# KiCad board LittleSixteen.kicad_pcb (continued)
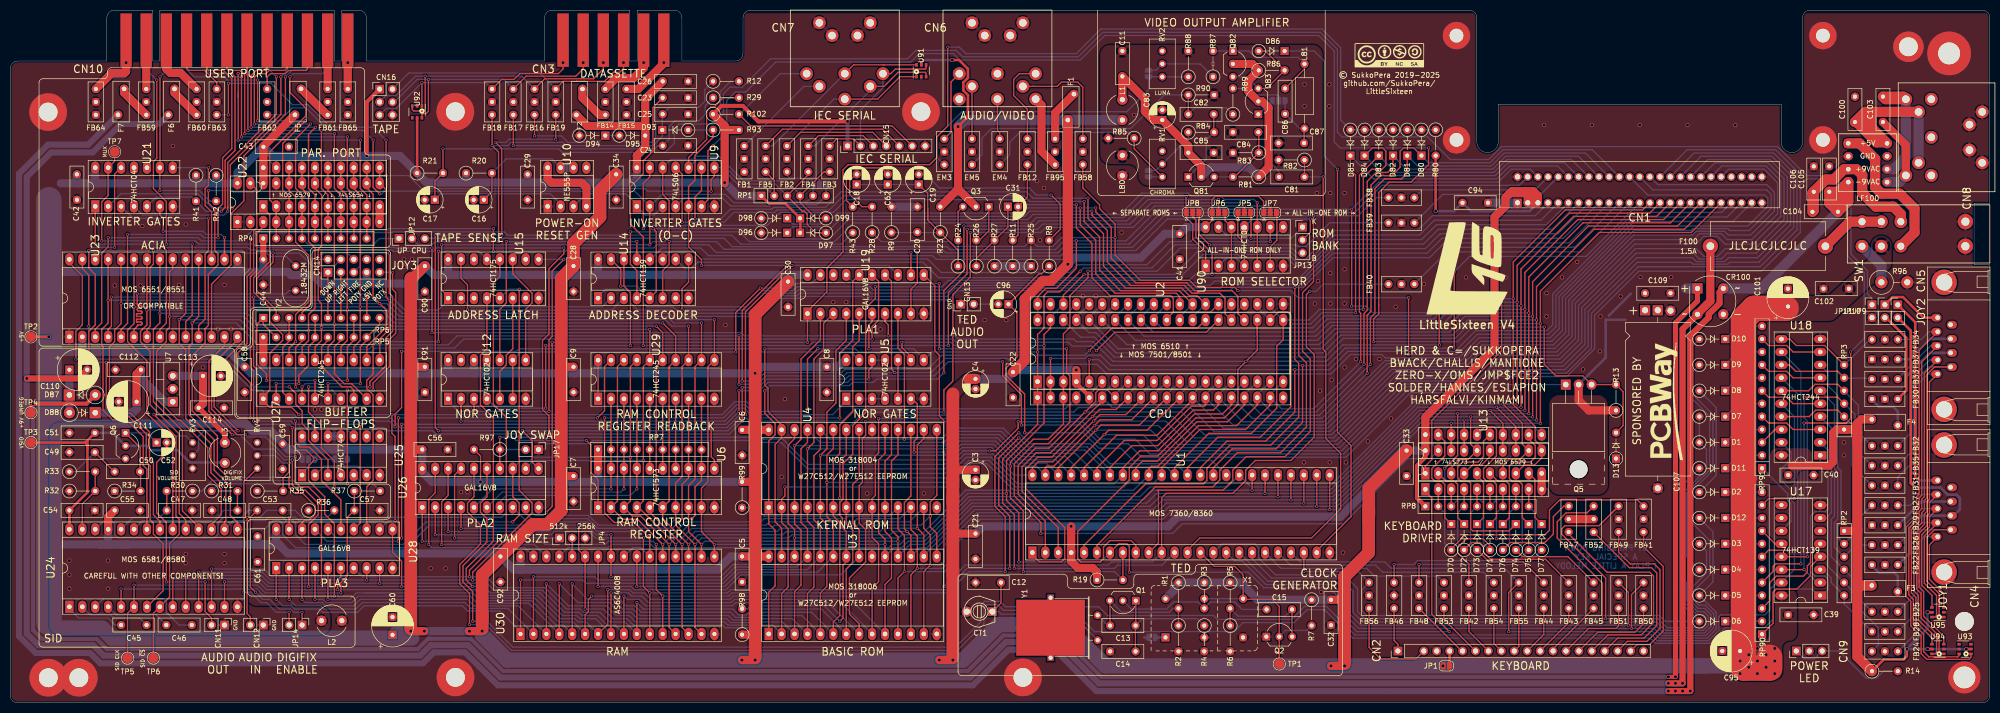
[diagram p0: board, top side]
## Routing (per net, layer and track width the routed paths; a pad name or vN(x,y) marks a point on that pad's centre or on a via; arc(x,y) is an arc through that point) (continued)
Net-(CN10-Pad10): length 13.2
  Top w1.6: CN10.10 30.7,124.63 31.48,123.85 33.48,123.85 FB60.1
Net-(CN10-Pad11): length 9.6
  Top w1.6: CN10.11 FB59.1
Net-(CN10-Pad12): length 27
  Top w1.6: FB64.1 19.97,123.84 22.44,123.84 22.78,124.17 CN10.12
  Bottom w1.6: FB64.1 19.73,123.6 22.2,123.6 22.78,124.17 CN10.12
  vias: v2(22.78,125.88)
Net-(D1-Pad1): length 8.3
  Bottom w0.25: RP91.4 339.55,53.75 D1.1
Net-(D2-Pad1): length 7.2
  Bottom w0.25: D2.1 RP90.12
Net-(D3-Pad1): length 7.2
  Bottom w0.25: D3.1 RP90.8
Net-(D4-Pad1): length 7.2
  Bottom w0.25: D4.1 RP90.6
Net-(D5-Pad1): length 7.2
  Bottom w0.25: D5.1 RP90.4
Net-(D6-Pad1): length 7.2
  Bottom w0.25: D6.1 RP90.2
Net-(D7-Pad1): length 8.3
  Bottom w0.25: RP91.6 339.55,58.83 D7.1
Net-(D8-Pad1): length 8.4
  Bottom w0.25: D8.1 339.55,63.91 RP91.8 ; 336.94,61.32 336.94,61.19
Net-(D9-Pad1): length 8.3
  Bottom w0.25: RP91.10 339.55,68.99 D9.1 ; 336.94,66.39 336.95,66.39
Net-(D10-Pad1): length 8.3
  Bottom w0.25: RP91.12 339.55,74.07 D10.1
Net-(D11-Pad1): length 8.3
  Bottom w0.25: D11.1 339.55,48.67 RP91.2
Net-(D12-Pad1): length 7.2
  Bottom w0.25: D12.1 RP90.10
Net-(D70-Pad1): length 21.5
  Top w0.25: D70.1 281.89,36.42 281.89,42.95 281.28,43.56 279.99,43.56 279.35,44.2 279.35,46.01 281.89,48.55 281.89,51.47 U20.19
Net-(D70-Pad2): length 57.8
  Top w0.25: FB41.1 319.71,39.91 304.49,39.91 302.46,37.88 302.46,33.94 301.57,33.05 285.95,33.05 283.16,30.26 D70.2 ; U13.2 RP8.2
  Bottom w0.25: RP8.2 281.89,37.37 281.89,31.34 D70.2
Net-(D71-Pad1): length 26.7
  Top w0.25: U20.16 289.83,54.32 291.48,54.32 292.05,53.75 292.05,48.54 289.51,46 289.51,44.22 290.17,43.56 291.44,43.56 292.05,42.95 292.05,36.42 D71.1
Net-(D71-Pad2): length 36.2
  Top w0.25: 290.78,30.52 290.78,30.89 289.38,32.29 286.17,32.29 284.43,30.55 284.43,29.49 286.64,27.28 FB42.1 ; U13.3 RP8.3
  Bottom w0.25: RP8.3 284.56,40.03 288.75,40.03 289.51,39.27 289.51,31.34 D71.2
Net-(D72-Pad1): length 13
  Top w0.25: U20.2 282.17,43.56 283.82,43.56 284.43,42.95 284.43,36.42 D72.1
Net-(D72-Pad2): length 38.1
  Top w0.25: U13.4 RP8.4 ; D72.2 287.16,31.52 288.75,31.52 289.51,30.76 289.51,29.62 290.91,28.22 301.68,28.22 FB43.1
  Bottom w0.25: D72.2 284.43,31.34 284.43,37.37 RP8.4
Net-(D73-Pad1): length 11
  Top w0.25: D73.1 289.51,36.42 289.51,43.33 288.24,44.6 U20.5
Net-(D73-Pad2): length 29.6
  Top w0.25: FB44.1 297.28,27.72 290.59,27.72 D73.2 ; U13.5 RP8.5
  Bottom w0.25: 288.24,41.14 U13.5 ; D73.2 286.97,31.34 286.97,37.37 RP8.5
Net-(D74-Pad1): length 34.5
  Top w0.25: U20.15 289.51,51.47 289.51,48.42 288.43,47.34 285.38,47.34 284.43,46.39 284.43,44.22 285.09,43.56 286.61,43.56 286.97,43.21 286.97,34.23 287.39,33.81 294.53,33.81 D74.1
Net-(D74-Pad2): length 40
  Top w0.25: U13.6 RP8.6 ; D74.2 297.19,28.73 306.1,28.73 311.15,23.68
  Bottom w0.25: 297.13,37.37 297.13,31.34 D74.2 ; 297.13,37.37 297.13,39.27 296.37,40.03 292.18,40.03 RP8.6 ; 297.13,37.37 297.13,39.15
Net-(D75-Pad1): length 24.6
  Top w0.25: U20.12 298.4,51.85 299.67,50.58 299.67,48.29 298.72,47.34 295.35,47.34 294.59,46.58 294.59,44.1 295.15,43.54 296.55,43.54 297.13,42.96 297.13,36.42 D75.1
Net-(D75-Pad2): length 50.4
  Top w0.25: 298.4,32.29 298.39,32.29 293.07,32.29 293.07,32.29 ; v1(292.05,32.29) 293.07,32.29 ; FB46.1 271.93,27.13 ; U13.7 RP8.7
  Bottom w0.25: v1(292.05,32.29) 292.05,37.37 RP8.7 ; 295.42,27.97 295.22,27.97 ; 295.22,27.97 276.56,27.97 275.79,27.21 v1(271.93,27.21) ; 295.22,27.97 296.3,27.97 D75.2 ; D75.2 298.4,29.75 ; D75.2 298.4,32.29
  vias: v1(298.4,32.29)
Net-(D76-Pad1): length 13
  Top w0.25: D76.1 294.59,36.42 294.59,42.95 293.98,43.56 292.33,43.56 U20.6
Net-(D76-Pad2): length 31.5
  Top w0.25: FB47.1 305.28,38.66 303.23,36.61 303.23,33.18 301.57,31.52 294.78,31.52 D76.2 ; U13.8 RP8.8
  Bottom w0.25: D76.2 294.59,31.34 294.59,37.37 RP8.8
Net-(D77-Pad1): length 11
  Top w0.25: D77.1 299.61,36.48 299.61,43.91 U20.9
Net-(D77-Pad2): length 41.8
  Top w0.25: U13.9 RP8.9 ; v1(276.84,27.21) FB48.1
  Bottom w0.25: v1(276.84,27.21) 298.08,27.21 D77.2 300.94,30.13 299.67,31.4 299.67,37.37 RP8.9
Net-(D86-Pad2): length 19.2
  Top w0.25: D86.2 246.61,128.18 R86.2 246.87,120.81 Q83.3
  Bottom w0.25: Q83.3 242.98,123.1 Q82.3
Net-(F1-Pad2): length 10.6
  Top w0.5: 208.1,119.41 208.1,119.68
  Top w1.6: F1.2 205.33,116 FB95.1
Net-(F2-Pad2): length 7.6
  Top w1.6: FB14.2 115.81,115.62 112.46,118.97 F2.2
Net-(F3-Pad2): length 9.1
  Bottom w0.5: FB22.1 365.84,26.95 367.23,25.55 370.29,25.55 370.91,24.93 370.91,21.87
Net-(F4-Pad2): length 8.9
  Bottom w0.5: 370.91,54.55 370.91,57.31 370.03,58.19 367.23,58.19 365.84,59.59 FB30.1
Net-(F5-Pad2): length 7.4
  Top w1.6: F5.2 62.26,115.62 FB61.2 62.35,115.62
Net-(F6-Pad2): length 6.9
  Top w1.6: FB60.2 36.63,115.62 32.29,119.96 F6.2
Net-(F7-Pad2): length 6.9
  Top w1.6: FB59.2 26.72,115.62 22.39,119.96 F7.2
Net-(F100-Pad2): length 13
  Top w2: F100.2 361.52,94.62 SW1.6 SW1.5
Net-(FB2-Pad2): length 8.4
  Bottom w0.25: JP3.2 159.03,102.79 158.66,103.15 153.24,103.15 152.63,103.76 FB2.2
Net-(JP2-Pad2): length 2
  Bottom w0.5: JP2.2 X1.1
Net-(JP3-Pad3): length 34
  Bottom w0.25: JP3.3 160.3,101.85 RP1.6 158.54,97.94 149.42,97.94 149.18,97.7 141.55,97.7 139.9,99.34 132.49,99.34 130.76,97.62
Net-(JP14-Pad2): length 38.5
  Top w0.25: v1(54.81,17.81) JP14.2 ; RV4.1 45.92,43.48 v1(45.92,21.74)
  Bottom w0.25: v1(54.81,17.81) 52.27,17.81 50.37,19.71 49.29,19.71 47.26,21.74 v1(45.92,21.74)
Net-(JP15-Pad2): length 3.1
  Top w0.25: v1(65,47.91) 65,44.78
Net-(JP16-Pad2): length 3.7
  Bottom w0.25: U25.1 57.35,45.11 58.63,46.39 JP16.2
Net-(JP18-Pad3): length 3.8
  Bottom w0.25: JP18.3 247.95,118.36 245.32,115.73 Q83.1
Net-(JP81-Pad1): length 11.6
  Bottom w0.25: JP81.1 225.15,104.71 RV1.2 231.5,111.06 R84.1
Net-(JP82-Pad1): length 14.2
  Bottom w0.25: R87.1 233.81,125.64 226.39,125.64 225.15,124.4 JP82.1
Net-(LF100-Pad1): length 30.1
  Top w2: LF100.1 363.4,110.01 366.47,106.94 366.47,101.38 367.74,100.11 371.3,100.11 374.22,97.19 374.22,92.5 SW1.1
Net-(M1-Pad2): length 7.4
  Top w0.25: Q3.1 192.29,92.78 190.46,90.95
Net-(Q3-Pad3): length 7.1
  Top w0.25: Q3.3 186.26,96.6 186.26,90.89
Net-(R35-Pad2): length 12.9
  Top w0.25: v1(54.81,47.14) 54.81,45.37 53.62,44.18 53.62,41.65
  Bottom w0.25: RV4.2 52.05,48.64 53.54,47.14 v1(54.81,47.14)
Net-(R37-Pad2): length 6.5
  Bottom w0.25: 67.54,44.78 69.12,43.21 71.15,43.21 R37.2
Net-(R96-Pad1): length 8.7
  Bottom w2: SW1.3 367.69,85.98 R96.1
Net-(RP5-Pad2): length 32.7
  Top w0.25: RP5.2 49.73,74.42 RP6.1 48.46,74.42 48.46,66.58 50.37,64.67 v1(50.37,63.4) ; v1(59.89,63.4) U27.5 ; 59.92,59.77 59.92,60.83
  Bottom w0.25: v1(50.37,63.4) v1(59.89,63.4)
Net-(RP5-Pad3): length 16.9
  Top w0.25: 54.84,59.77 53.57,61.04 53.57,69.91 54.81,71.15 54.81,75.66
Net-(RP5-Pad4): length 20.2
  Top w0.25: 57.38,71.88 57.38,71.18 56.08,69.88 v1(56.08,62.13)
  Bottom w0.25: 65,59.77 63.28,61.5 56.72,61.5 v1(56.08,62.13)
Net-(RP5-Pad5): length 21.7
  Top w0.25: v1(56.72,62.77) 56.72,64.42 58.62,66.32 58.62,70 59.92,71.3 59.92,75.69 ; 52.27,59.8 v1(52.27,62.77)
  Bottom w0.25: v1(52.27,62.77) v1(56.72,62.77)
Net-(RP5-Pad6): length 16.2
  Top w0.25: 62.46,71.88 62.46,71.3 61.19,70.03 61.19,66.12 65.18,62.13 66.88,62.13 67.51,61.5 U27.8
Net-(RP5-Pad7): length 16.1
  Top w0.25: 70.08,59.77 67.09,62.77 65.64,62.77 63.73,64.67 63.73,70.03 65,71.3 65,71.88
Net-(RP5-Pad8): length 24.6
  Top w0.25: v1(57.35,62.13) U27.4 ; v1(66.27,63.4) 66.27,70.03 67.54,71.3 67.54,71.88 ; RP5.8 RP6.8
  Bottom w0.25: v1(57.35,62.13) 57.99,62.77 60.78,62.77 61.42,63.4 v1(66.27,63.4)
Net-(RP5-Pad9): length 23.8
  Top w0.25: RP5.9 72.59,74.42 RP6.10 ; v1(62.46,62.77) 62.46,59.77 ; v1(68.81,62.77) 68.81,70.03 70.08,71.3 70.08,71.88
  Bottom w0.25: v1(68.81,62.77) v1(62.46,62.77)
Net-(RP90-Pad1): length 22.4
  Top w0.25: U17.4 353.77,26.82 353.77,25.05 351.11,22.38 347.04,22.38 346.41,21.74 346.41,15.65 RP90.1
Net-(RP90-Pad3): length 20.6
  Top w0.25: RP90.3 345.77,20.09 345.77,23.65 347.04,24.92 352.38,24.92 353.14,25.68 353.14,26.95 353.77,27.59 353.77,29.36 U17.5
Net-(RP90-Pad9): length 4.9
  Top w0.25: RP90.9 346.79,31.27 U17.12
Net-(RP91-Pad1): length 15.5
  Bottom w0.25: 344.26,46.13 349.33,41.06 349.33,39.78 349.96,39.14 349.96,35.71 U17.11
Net-(U5-Pad2): length 5.1
  Bottom w0.25: U5.4 U5.2
Net-(U5-Pad10): length 7.6
  Top w0.25: 174.45,67.64 174.45,60.02
Net-(U12-Pad1): length 57.1
  Top w0.25: v1(105.87,57.3) 105.87,71.4 106.5,72.04 106.5,84.92 v1(108.79,87.2)
  Bottom w0.25: U12.1 86.06,59.34 88.09,57.3 v1(105.87,57.3) ; U15.9 v1(108.79,87.2)
Net-(U12-Pad4): length 58.7
  Top w0.25: 120.6,87.2 120.6,81.94 121.87,80.67 v1(121.87,70.26) ; v1(105.23,57.94) v1(105.23,70.26)
  Bottom w0.25: v1(105.23,57.94) 95.51,57.94 U12.4 ; v1(105.23,70.26) v1(121.87,70.26)
Net-(U12-Pad5): length 20.9
  Top w0.25: U12.5 96.22,65.18 97.49,66.45 97.49,68.35 98.76,69.62 U15.6
Net-(U12-Pad8): length 21.9
  Top w0.25: 101.3,67.39 101.3,77.37 102.57,78.64 102.57,80.55 98.76,84.36 U15.11
Net-(U12-Pad10): length 53
  Top w0.25: 97.49,90.71 97.49,78.64 96.22,77.37 U12.10 ; U14.13 123.14,90.71
  Bottom w0.25: 97.49,90.71 97.49,90.71 123.13,90.71
  vias: v1(97.49,90.71) v1(123.14,90.71)
Net-(U14-Pad2): length 30.9
  Bottom w0.25: U14.2 116.36,77.88 90.3,77.88 U15.2
Net-(U14-Pad3): length 42.2
  Top w0.25: U15.15 88.6,83.47 89.87,82.2 v1(89.87,77.24)
  Bottom w0.25: 120.6,79.58 118.26,77.24 v1(89.87,77.24)
Net-(U25-Pad2): length 11.6
  Bottom w0.25: 59.92,44.78 61.65,46.51 68.36,46.51 70.08,44.78

## Copper pours and planes (outline as drawn; the poured copper is in the pictures)
+9V on Top: 302.43,40.92 302.43,60.48 313.89,60.48 313.98,40.92
+9V on Bottom: 328.56,80.23 328.56,75.09 313.26,75.09 313.26,75.6 320.24,82.58 333.07,82.58 333.07,80.23
AGND on Top: 46.43,35.71 46.43,18.82 62.94,18.82 62.94,13.36 7.7,13.36 7.7,55.15 41.48,55.15 41.48,35.71
AGND on Bottom: 56.47,43.4 65.99,43.33 65.99,36.48 46.43,36.48 46.43,18.82 62.94,18.82 62.94,14 9.98,14 10.11,55.15 56.47,55.21
GND on Top: 412.7,-40.1 -35.75,-40.1 -36,135.6 412.7,135.6
GND on Bottom: 400,-27.4 -18.5,-27.38 -18.5,135.6 400,135.6
VCC on Top: 82.88,85.88 79.07,82.2 77.48,82.2 77.5,84.1 81.55,87.21
VCC on Top: 369.71,85.75 358.09,75.08 345.14,75.08 345.07,80.04 357.33,80.04 365.65,87.79 365.65,91.85 369.71,91.85
VCC on Top: 190.32,64.68 186.39,59.85 184.23,59.85 184.23,61.5 187.66,64.68
VCC on Top: 351.11,12.22 348.18,12.22 348.18,4.6 338.15,4.6 338.21,12.22 345.77,12.22 345.77,22.38 351.11,22.38
VCC on Top: 354.15,45.87 351.11,45.87 351.11,43.08 338.28,43.08 338.28,44.73 345.77,44.73 345.77,50.07 354.15,50.07
VCC on Bottom: 10.09,98.56 3.68,98.56 8.36,102.97 15.29,102.96
VCC on Bottom: 93.03,14.3 93.03,10.93 89.65,14.31
VCC on Bottom: 77.43,14.61 83.13,14.61 79.83,11.23 77.01,11.23 77.01,11.47 70.18,11.47 73.23,14.87 77.43,14.89
VCC on Bottom: 348.18,4.6 338.15,4.6 338.15,11.71 348.18,11.71
/Power & Misc/in_gnd on Bottom: 379.93,100.24 365.71,100.24 365.71,117.25 360.25,117.25 360.25,121.83 379.93,121.83
VGND on Top: 257.89,101.7 221.69,101.7 221.69,105.95 214.2,105.95 214.2,129.38 257.89,129.38
VGND on Bottom: 257.89,101.88 221.69,101.88 221.69,105.95 214.2,105.95 214.2,129.38 257.89,129.38

## Text on the board
Bottom: BY PRESSING DOWN / A SPECIAL KEY / I PLAY A LITTLE MELODY
B.SilkS: 9VAC | ~{RESET} | SENSE | WRITE | MOTOR | COMP | AUDIO IN | CLKOUT | GATE IN | ← OTHER SIDE | GND | TXD | OUT | IN | DSR | P1 | ~{ATTN} | P6 | RXC | DCD | P5 | P7 | P4 | DTR | P3 | RTS | P2 | RXD | P0 | +5V | → | READ | SRQ | ATN | RST | CLK | DAT | LUMA | NC | CHROMA | AUDIO / OUT | +9VAC | -9VAC | J2 PIN5 PWR | J1 PIN5 PWR | A3 | A2 | Φ0 | A4 | A1 | BA | R/~{W} | A5 | A0 | ~{IRQ} | D0 | A6 | AEC | D1 | ~{NMI} | A7 | ~{CS0} | D2 | A8 | ~{CS1} | D3 | A9 | D4 | A10 | D5 | A11 | MUX | D6 | A12 | ~{RAS} | D7 | A13 | ~{CAS} | A14 | A15 | COLOR | CLOCK IN | K0 | SND | K1 | K2 | K3 | K4 | K5 | K6 | K7 | SYNC/LUM | C1_LO | C1_HI | C2_LO | C2_HI | (Z) | (AA) | EXT_AUDIO | (BB) | Φ2 | Hey, did you know that this board is OPEN SOURCE? / This means that all the design files are available for / you to STUDY, USE and even MODIFY! Have a look at / the GitHub project page for more information!
F.SilkS: SID / VOLUME | DIGIFIX / VOLUME | +5V | +9V UNREG | VSID | MUX | SID CLK | SID ~{CS} | GND | ↑ MOS 6529 ↑ / ↓ 74LS654 ↓ | LUMA | CHROMA | ↑ 74LS273 ↑ / ↓ MOS 6529 ↓ | → ALL-IN-ONE ROM → | ALL-IN-ONE ROM ONLY | ← SEPARATE ROMS ← | RIGHT | LEFT | FIRE | POTY | NC | POTX | UP | DOWN | MOS 6551/8551 / OR COMPATIBLE | MOS 6581/8580 / CAREFUL WITH OTHER COMPONENTS! | GAL16V8 | UP CPU | 512k | 256k | MOS 318004 / or / W27C512/W27E512 EEPROM | MOS 318006 / or / W27C512/W27E512 EEPROM | ↑ MOS 6510 ↑ / ↓ MOS 7501/8501 ↓ | MOS 7360/8360 | K | B | © SukkoPera 2019-2025 / github.com/SukkoPera/ / LittleSixteen | 1.5A | +9VAC | -9VAC | ROM / BANK | JOY3 | SID | INVERTER GATES | AUDIO / OUT | USER PORT | AUDIO / IN | DIGIFIX / ENABLE | PLA3 | FLIP-FLOPS | BUFFER | TAPE | TAPE SENSE | PLA2 | NOR GATES | ADDRESS LATCH | RAM SIZE | JOY SWAP | CN3 | POWER-ON / RESET GEN | DATASSETTE | RAM | ADDRESS DECODER | RAM CONTROL / REGISTER READBACK | RAM CONTROL / REGISTER | INVERTER GATES / (O-C) | IEC SERIAL | KERNAL ROM | BASIC ROM | PLA1 | TED / AUDIO / OUT | AUDIO/VIDEO | CPU | TED | VIDEO OUTPUT AMPLIFIER | ROM SELECTOR | HERD & C=/SUKKOPERA / BWACK/CHALLIS/MANTIONE / ZERO-X/OMS/JMP$FCE2 / SOLDER/HANNES/ESLAPION / HÁRSFALVI/KINMAMI | KEYBOARD | + | ~ | - | JLCJLCJLCJLC | POWER / LED | ACIA | PAR. PORT | CLOCK / GENERATOR | KEYBOARD / DRIVER | SPONSORED BY | LittleSixteen V4
Margin: C64 CONNECTOR / PLACEMENT
